# KiCad board coils_12_35_10_8_layer.kicad_pcb (continued)
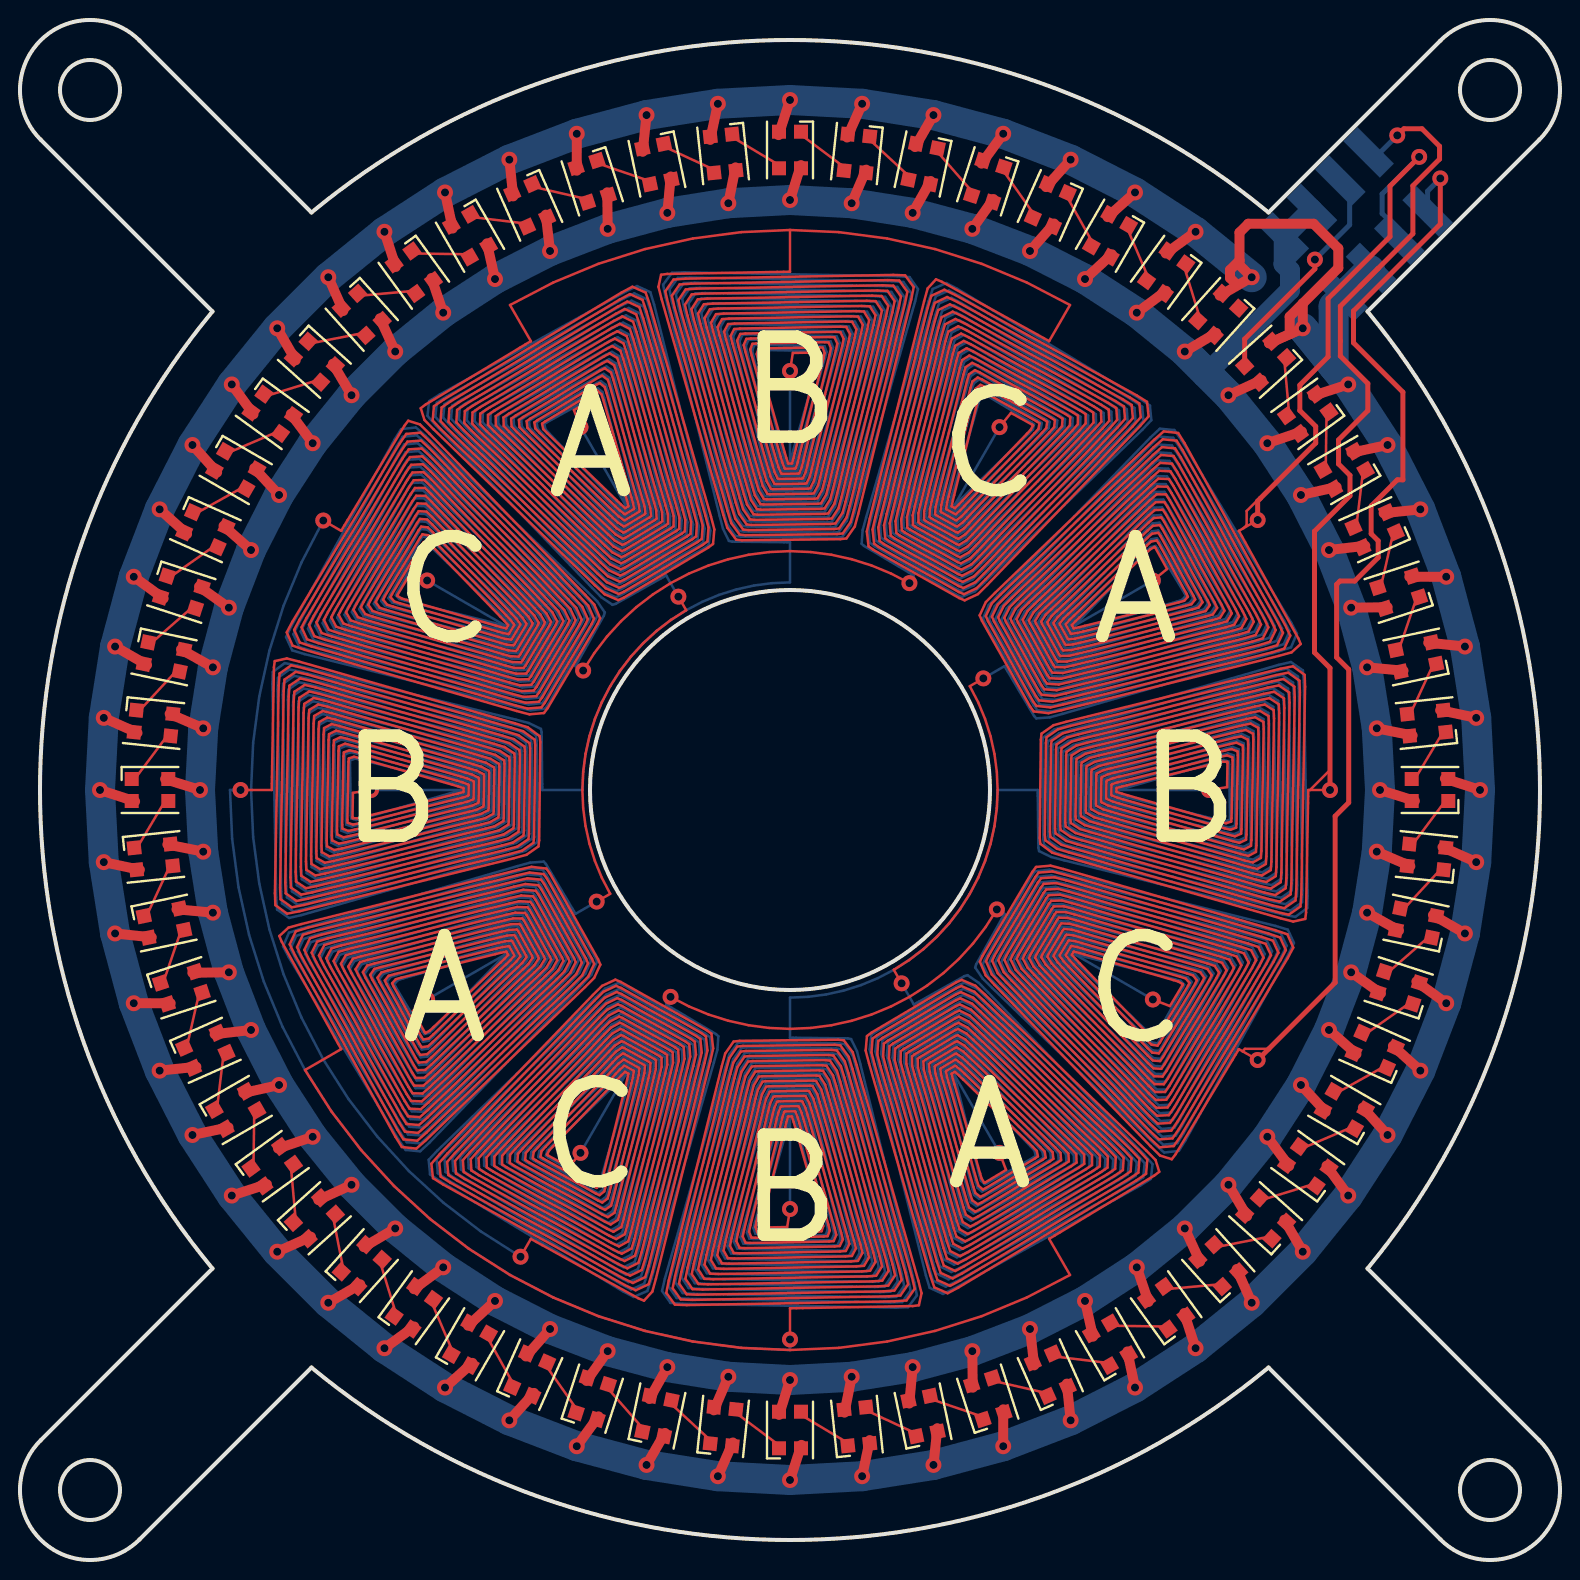
[diagram p0: board, top side]
## Routing (per net, layer and track width the routed paths; a pad name or vN(x,y) marks a point on that pad's centre or on a via; arc(x,y) is an arc through that point) (continued)
17.26,47.3 17.63,47.17 24.14,45.29 24.52,45.19 24.93,45.17 25,45.25 25.9,46.76 25.94,46.87 25.72,47.23 25.44,47.53 20.59,52.53 20.3,52.81 19.87,52.83 19.69,52.56 16.82,47.8 16.67,47.51 16.9,47.14 17.29,47.01 24.21,45.01 24.62,44.9 25.06,44.89 25.14,44.99 26.2,46.77 26.24,46.89 26.02,47.28 25.72,47.6 20.58,52.91 20.27,53.21 19.81,53.21 19.61,52.92 16.46,47.7 16.3,47.39 16.53,46.98 16.95,46.84 24.28,44.73 24.71,44.61 25.18,44.6 25.28,44.72 26.5,46.77 26.55,46.91 26.32,47.34 26,47.67 20.57,53.29 20.24,53.6 19.75,53.6 19.53,53.28 16.11,47.6 15.93,47.26 16.17,46.82 16.61,46.67 24.35,44.44 24.81,44.32 25.31,44.32 25.42,44.45 26.79,46.78 26.86,46.93 26.62,47.39 26.28,47.74 20.55,53.67 20.21,54 19.68,53.99 19.45,53.64 15.75,47.5 15.56,47.14 15.81,46.66 16.27,46.51 24.42,44.16 24.9,44.03 25.44,44.04 25.55,44.19 27.09,46.78 27.16,46.95 26.92,47.44 26.57,47.82 20.54,54.05 20.18,54.39 19.62,54.37 19.37,54 15.4,47.4 15.19,47.01 15.45,46.51 15.93,46.34 24.49,43.87 24.99,43.74 25.56,43.76 25.69,43.92 27.39,46.79 27.47,46.98 27.21,47.5 26.85,47.89 20.53,54.43 20.15,54.79 19.56,54.76 19.29,54.37 15.04,47.31 14.82,46.88 15.08,46.35 15.59,46.17 24.56,43.59 25.09,43.45 25.69,43.48 25.83,43.65 27.69,46.79 27.78,47 27.51,47.55 27.13,47.96 20.52,54.8 20.12,55.18 19.5,55.15 19.21,54.73 14.69,47.21 14.45,46.76 14.72,46.19 15.25,46.01 24.63,43.3 25.18,43.15 25.82,43.19 25.97,43.39 27.99,46.8 28.09,47.02 27.81,47.61 27.41,48.04 20.5,55.18 20.08,55.58 19.43,55.53 19.13,55.09 14.33,47.11 14.08,46.63 14.36,46.03 14.91,45.84 24.7,43.02 25.28,42.86 25.94,42.91 26.1,43.12 28.29,46.8 28.39,47.04 28.11,47.66 27.7,48.11 20.49,55.56 20.05,55.97 19.37,55.92 19.05,55.45 13.97,47.01 13.71,46.51 13.99,45.87 14.57,45.68 24.77,42.73 25.37,42.57 26.07,42.63 26.24,42.85 28.58,46.81 28.7,47.06 28.41,47.72 27.98,48.18 20.48,55.94 20.02,56.37 19.31,56.3 18.97,55.81 13.62,46.91 13.34,46.38 13.63,45.72 14.23,45.51 24.84,42.45 25.47,42.28 26.2,42.35 26.38,42.59 28.88,46.81 29.01,47.09 28.71,47.77 28.26,48.26 20.47,56.32 20,56.78 19.41,56.96 19.22,56.71 16.06,51.46 v1(15.16,51.97) ; v1(48.17,44.08) 47.49,43.69 47.91,42.89 48.25,42.05 48.53,41.19 48.72,40.3 48.84,39.4 48.88,38.5 48.84,37.6 48.72,36.7 48.53,35.81 48.25,34.95 47.91,34.11 47.49,33.31 47,32.55 46.45,31.83 45.84,31.16 45.17,30.55 44.45,30 43.69,29.51 v1(44.08,28.83) ; v1(25.03,15.16) 25.54,16.06 30.91,13.09 31.2,12.97 31.62,13.42 31.79,14.05 34.51,24.93 34.66,25.58 34.57,26.32 34.33,26.49 30.04,28.9 29.77,29.02 29.11,28.71 28.64,28.25 20.99,20.3 20.57,19.81 20.65,19.09 21.16,18.77 30.24,13.75 30.78,13.49 31.43,13.79 31.61,14.39 34.23,24.85 34.37,25.48 34.29,26.18 34.07,26.35 30.06,28.6 29.8,28.71 29.17,28.41 28.73,27.97 21.37,20.32 20.96,19.86 21.03,19.17 21.52,18.87 30.13,14.1 30.64,13.85 31.26,14.15 31.44,14.72 33.95,24.78 34.09,25.37 34.02,26.05 33.81,26.2 30.07,28.3 29.83,28.4 29.23,28.11 28.81,27.69 21.75,20.35 21.36,19.9 21.42,19.25 21.87,18.96 30.02,14.45 30.5,14.22 31.09,14.5 31.26,15.05 33.67,24.7 33.8,25.27 33.74,25.91 33.55,26.06 30.09,28 29.86,28.09 29.3,27.81 28.89,27.4 22.12,20.37 21.75,19.95 21.8,19.32 22.23,19.05 29.91,14.8 30.36,14.58 30.92,14.86 31.08,15.39 33.39,24.62 33.51,25.17 33.46,25.78 33.28,25.91 30.1,27.7 29.9,27.79 29.36,27.51 28.97,27.12 22.5,20.4 22.14,19.99 22.18,19.4 22.59,19.14 29.8,15.16 30.23,14.95 30.75,15.22 30.9,15.72 33.11,24.54 33.23,25.06 33.19,25.65 33.02,25.77 30.12,27.4 29.93,27.48 29.42,27.21 29.05,26.84 22.88,20.43 22.54,20.04 22.57,19.48 22.94,19.24 29.69,15.51 30.09,15.31 30.58,15.57 30.72,16.06 32.82,24.46 32.94,24.96 32.91,25.51 32.76,25.62 30.13,27.1 29.96,27.17 29.49,26.91 29.13,26.56 23.26,20.45 22.93,20.08 22.95,19.55 23.3,19.33 29.57,15.86 29.95,15.68 30.41,15.93 30.54,16.39 32.54,24.39 32.65,24.86 32.63,25.38 32.5,25.48 30.15,26.8 29.99,26.86 29.55,26.61 29.21,26.28 23.63,20.48 23.32,20.13 23.34,19.63 23.66,19.42 29.46,16.21 29.81,16.05 30.24,16.29 30.37,16.72 32.26,24.31 32.37,24.76 32.36,25.24 32.24,25.33 30.16,26.5 30.02,26.56 29.61,26.32 29.3,26 24.01,20.51 23.72,20.17 23.72,19.7 24.02,19.51 29.35,16.56 29.67,16.41 30.07,16.65 30.19,17.06 31.98,24.23 32.08,24.65 32.08,25.11 31.98,25.19 30.17,26.2 30.05,26.25 29.68,26.02 29.38,25.72 24.39,20.53 24.11,20.22 24.1,19.78 24.37,19.61 29.24,16.91 29.53,16.78 29.89,17 30.01,17.39 31.7,24.15 31.79,24.55 31.8,24.97 31.72,25.05 30.19,25.9 30.08,25.94 29.74,25.72 29.46,25.43 24.77,20.56 24.5,20.26 24.49,19.86 24.73,19.7 29.13,17.27 29.39,17.14 29.72,17.36 29.83,17.73 31.42,24.07 31.51,24.45 31.53,24.84 31.46,24.9 30.2,25.61 30.12,25.63 29.8,25.42 29.54,25.15 25.14,20.58 24.9,20.31 24.87,19.93 25.09,19.79 29.02,17.62 29.25,17.51 29.55,17.72 29.65,18.06 31.14,24 31.22,24.35 31.25,24.71 31.2,24.76 30.22,25.31 30.15,25.33 29.87,25.12 29.62,24.87 25.52,20.61 25.29,20.35 25.26,20.01 25.45,19.88 28.91,17.97 29.11,17.87 29.38,18.08 29.47,18.39 30.86,23.92 30.93,24.24 30.97,24.57 30.93,24.61 30.23,25.01 30.18,25.02 29.93,24.82 29.7,24.59 25.9,20.64 25.68,20.4 25.64,20.09 25.8,19.98 28.79,18.32 28.97,18.24 29.21,18.43 29.3,18.73 30.57,23.84 30.65,24.14 30.69,24.44 30.67,24.47 30.25,24.71 30.21,24.71 29.99,24.52 29.78,24.31 26.28,20.66 26.08,20.44 26.02,20.16 26.16,20.07 28.68,18.67 28.84,18.61 29.04,18.79 29.12,19.06 30.29,23.76 30.36,24.04 30.42,24.3 30.41,24.32 30.26,24.41 30.24,24.4 30.06,24.22 29.87,24.03 26.65,20.69 26.47,20.49 26.35,20.27 26.4,20.23 27.45,19.65 v1(28.03,20.36) ; v1(48.84,32.53) 48.28,31.65 47.65,30.82 46.94,30.06 46.18,29.35 45.35,28.72 44.47,28.16 43.55,27.68 42.58,27.28 41.59,26.96 40.57,26.74 39.54,26.6 38.5,26.56 37.46,26.6 36.43,26.74 35.41,26.96 34.42,27.28 33.45,27.68 v1(32.53,28.16) ; v1(56.64,28.03) 57.5,27.7 58.12,28.73 58.14,28.79 57.92,28.92 57.67,29 53.21,30.28 52.95,30.36 52.7,30.42 52.68,30.42 52.59,30.27 52.6,30.25 52.78,30.04 52.98,29.84 56.34,26.36 56.55,26.16 56.82,26.1 56.91,26.24 58.4,28.71 58.47,28.86 58.29,29.07 58.01,29.16 53.14,30.57 52.86,30.65 52.57,30.7 52.54,30.68 52.29,30.26 52.29,30.22 52.48,29.99 52.69,29.77 56.36,25.98 56.58,25.77 56.88,25.72 56.99,25.88 58.76,28.81 58.84,28.98 58.65,29.23 58.35,29.33 53.07,30.85 52.76,30.94 52.45,30.98 52.41,30.95 52,30.25 51.98,30.2 52.18,29.94 52.41,29.69 56.37,25.6 56.61,25.37 56.94,25.33 57.07,25.52 59.11,28.91 59.22,29.11 59.01,29.39 58.69,29.5 53,31.14 52.67,31.23 52.32,31.27 52.27,31.21 51.7,30.25 51.68,30.18 51.88,29.88 52.13,29.62 56.38,25.22 56.64,24.98 57,24.94 57.15,25.16 59.47,29 59.59,29.24 59.38,29.55 59.03,29.66 52.93,31.42 52.57,31.52 52.19,31.55 52.13,31.48 51.4,30.24 51.37,30.16 51.58,29.83 51.85,29.55 56.4,24.84 56.67,24.58 57.07,24.56 57.23,24.8 59.82,29.1 59.96,29.36 59.74,29.7 59.37,29.83 52.86,31.71 52.48,31.81 52.07,31.83 52,31.75 51.1,30.24 51.06,30.13 51.28,29.77 51.56,29.47 56.41,24.47 56.7,24.19 57.13,24.17 57.31,24.44 60.18,29.2 60.33,29.49 60.1,29.86 59.71,29.99 52.79,31.99 52.38,32.1 51.94,32.11 51.86,32.01 50.8,30.23 50.76,30.11 50.98,29.72 51.28,29.4 56.42,24.09 56.73,23.79 57.19,23.79 57.39,24.08 60.54,29.3 60.7,29.61 60.47,30.02 60.05,30.16 52.72,32.27 52.29,32.39 51.82,32.4 51.72,32.28 50.5,30.23 50.45,30.09 50.68,29.66 51,29.33 56.43,23.71 56.76,23.4 57.25,23.4 57.47,23.72 60.89,29.4 61.07,29.74 60.83,30.18 60.39,30.33 52.65,32.56 52.19,32.68 51.69,32.68 51.58,32.55 50.21,30.22 50.14,30.07 50.38,29.61 50.72,29.26 56.45,23.33 56.79,23 57.32,23.01 57.55,23.36 61.25,29.5 61.44,29.86 61.19,30.34 60.73,30.49 52.58,32.84 52.1,32.97 51.56,32.96 51.45,32.81 49.91,30.22 49.84,30.05 50.08,29.56 50.43,29.18 56.46,22.95 56.82,22.61 57.38,22.63 57.63,23 61.6,29.6 61.81,29.99 61.55,30.49 61.07,30.66 52.51,33.13 52.01,33.26 51.44,33.24 51.31,33.08 49.61,30.21 49.53,30.02 49.79,29.5 50.15,29.11 56.47,22.57 56.85,22.21 57.44,22.24 57.71,22.63 61.96,29.69 62.18,30.12 61.92,30.65 61.41,30.83 52.44,33.41 51.91,33.55 51.31,33.52 51.17,33.35 49.31,30.21 49.22,30 49.49,29.45 49.87,29.04 56.48,22.2 56.88,21.82 57.5,21.85 57.79,22.27 62.31,29.79 62.55,30.24 62.28,30.81 61.75,30.99 52.37,33.7 51.82,33.85 51.18,33.81 51.03,33.61 49.01,30.2 48.91,29.98 49.19,29.39 49.59,28.96 56.5,21.82 56.92,21.42 57.57,21.47 57.87,21.91 62.67,29.89 62.92,30.37 62.64,30.97 62.09,31.16 52.3,33.98 51.72,34.14 51.06,34.09 50.9,33.88 48.71,30.2 48.61,29.96 48.89,29.34 49.3,28.89 56.51,21.44 56.95,21.03 57.63,21.08 57.95,21.55 63.03,29.99 63.29,30.49 63.01,31.13 62.43,31.32 52.23,34.27 51.63,34.43 50.93,34.37 50.76,34.15 48.42,30.19 48.3,29.94 48.59,29.28 49.02,28.82 56.52,21.06 56.98,20.63 57.69,20.7 58.03,21.19 63.38,30.09 63.66,30.62 63.37,31.28 62.77,31.49 52.16,34.55 51.53,34.72 50.8,34.65 50.62,34.41 48.12,30.19 47.99,29.91 48.29,29.23 48.74,28.74 56.53,20.68 57,20.22 57.59,20.04 57.78,20.29 60.94,25.54 v1(61.88,25) ; v1(20.36,28.03) 19.65,27.45 20.23,26.4 20.27,26.35 20.49,26.47 20.69,26.65 24.03,29.87 24.22,30.06 24.4,30.24 24.41,30.26 24.32,30.41 24.3,30.42 24.04,30.36 23.76,30.29 19.06,29.12 18.79,29.04 18.61,28.84 18.67,28.68 20.07,26.16 20.16,26.02 20.44,26.08 20.66,26.28 24.31,29.78 24.52,29.99 24.71,30.21 24.71,30.25 24.47,30.67 24.44,30.69 24.14,30.65 23.84,30.57 18.73,29.3 18.43,29.21 18.24,28.97 18.32,28.79 19.98,25.8 20.09,25.64 20.4,25.68 20.64,25.9 24.59,29.7 24.82,29.93 25.02,30.18 25.01,30.23 24.61,30.93 24.57,30.97 24.24,30.93 23.92,30.86 18.39,29.47 18.08,29.38 17.87,29.11 17.97,28.91 19.88,25.45 20.01,25.26 20.35,25.29 20.61,25.52 24.87,29.62 25.12,29.87 25.33,30.15 25.31,30.22 24.76,31.2 24.71,31.25 24.35,31.22 24,31.14 18.06,29.65 17.72,29.55 17.51,29.25 17.62,29.02 19.79,25.09 19.93,24.87 20.31,24.9 20.58,25.14 25.15,29.54 25.42,29.8 25.63,30.12 25.61,30.2 24.9,31.46 24.84,31.53 24.45,31.51 24.07,31.42 17.73,29.83 17.36,29.72 17.14,29.39 17.27,29.13 19.7,24.73 19.86,24.49 20.26,24.5 20.56,24.77 25.43,29.46 25.72,29.74 25.94,30.08 25.9,30.19 25.05,31.72 24.97,31.8 24.55,31.79 24.15,31.7 17.39,30.01 17,29.89 16.78,29.53 16.91,29.24 19.61,24.37 19.78,24.1 20.22,24.11 20.53,24.39 25.72,29.38 26.02,29.68 26.25,30.05 26.2,30.17 25.19,31.98 25.11,32.08 24.65,32.08 24.23,31.98 17.06,30.19 16.65,30.07 16.41,29.67 16.56,29.35 19.51,24.02 19.7,23.72 20.17,23.72 20.51,24.01 26,29.3 26.32,29.61 26.56,30.02 26.5,30.16 25.33,32.24 25.24,32.36 24.76,32.37 24.31,32.26 16.72,30.37 16.29,30.24 16.05,29.81 16.21,29.46 19.42,23.66 19.63,23.34 20.13,23.32 20.48,23.63 26.28,29.21 26.61,29.55 26.86,29.99 26.8,30.15 25.48,32.5 25.38,32.63 24.86,32.65 24.39,32.54 16.39,30.54 15.93,30.41 15.68,29.95 15.86,29.57 19.33,23.3 19.55,22.95 20.08,22.93 20.45,23.26 26.56,29.13 26.91,29.49 27.17,29.96 27.1,30.13 25.62,32.76 25.51,32.91 24.96,32.94 24.46,32.82 16.06,30.72 15.57,30.58 15.31,30.09 15.51,29.69 19.24,22.94 19.48,22.57 20.04,22.54 20.43,22.88 26.84,29.05 27.21,29.42 27.48,29.93 27.4,30.12 25.77,33.02 25.65,33.19 25.06,33.23 24.54,33.11 15.72,30.9 15.22,30.75 14.95,30.23 15.16,29.8 19.14,22.59 19.4,22.18 19.99,22.14 20.4,22.5 27.12,28.97 27.51,29.36 27.79,29.9 27.7,30.1 25.91,33.28 25.78,33.46 25.17,33.51 24.62,33.39 15.39,31.08 14.86,30.92 14.58,30.36 14.8,29.91 19.05,22.23 19.32,21.8 19.95,21.75 20.37,22.12 27.4,28.89 27.81,29.3 28.09,29.86 28,30.09 26.06,33.55 25.91,33.74 25.27,33.8 24.7,33.67 15.05,31.26 14.5,31.09 14.22,30.5 14.45,30.02 18.96,21.87 19.25,21.42 19.9,21.36 20.35,21.75 27.69,28.81 28.11,29.23 28.4,29.83 28.3,30.07 26.2,33.81 26.05,34.02 25.37,34.09 24.78,33.95 14.72,31.44 14.15,31.26 13.85,30.64 14.1,30.13 18.87,21.52 19.17,21.03 19.86,20.96 20.32,21.37 27.97,28.73 28.41,29.17 28.71,29.8 28.6,30.06 26.35,34.07 26.18,34.29 25.48,34.37 24.85,34.23 14.39,31.61 13.79,31.43 13.49,30.78 13.75,30.24 18.77,21.16 19.09,20.65 19.81,20.57 20.3,20.99 28.25,28.64 28.71,29.11 29.02,29.77 28.9,30.04 26.49,34.33 26.32,34.57 25.58,34.66 24.93,34.51 14.05,31.79 13.42,31.62 12.97,31.2 13.09,30.91 16.06,25.54 14.25,24.5 15.56,22.44 17.05,20.5 18.7,18.7 20.5,17.05 22.44,15.56 24.5,14.25 26.67,13.12 28.92,12.19 31.25,11.45 33.64,10.93 36.06,10.61 38.5,10.5 40.94,10.61 43.36,10.93 45.75,11.45 48.08,12.19 50.33,13.12 52.5,14.25 51.46,16.06 56.71,19.22 56.96,19.41 56.78,20 56.32,20.47 48.26,28.26 47.77,28.71 47.09,29.01 46.81,28.88 42.59,26.38 42.35,26.2 42.28,25.47 42.45,24.84 45.51,14.23 45.72,13.63 46.38,13.34 46.91,13.62 55.81,18.97 56.3,19.31 56.37,20.02 55.94,20.48 48.18,27.98 47.72,28.41 47.06,28.7 46.81,28.58 42.85,26.24 42.63,26.07 42.57,25.37 42.73,24.77 45.68,14.57 45.87,13.99 46.51,13.71 47.01,13.97 55.45,19.05 55.92,19.37 55.97,20.05 55.56,20.49 48.11,27.7 47.66,28.11 47.04,28.39 46.8,28.29 43.12,26.1 42.91,25.94 42.86,25.28 43.02,24.7 45.84,14.91 46.03,14.36 46.63,14.08 47.11,14.33 55.09,19.13 55.53,19.43 55.58,20.08 55.18,20.5 48.04,27.41 47.61,27.81 47.02,28.09 46.8,27.99 43.39,25.97 43.19,25.82 43.15,25.18 43.3,24.63 46.01,15.25 46.19,14.72 46.76,14.45 47.21,14.69 54.73,19.21 55.15,19.5 55.18,20.12 54.8,20.52 47.96,27.13 47.55,27.51 47,27.78 46.79,27.69 43.65,25.83 43.48,25.69 43.45,25.09 43.59,24.56 46.17,15.59 46.35,15.08 46.88,14.82 47.31,15.04 54.37,19.29 54.76,19.56 54.79,20.15 54.43,20.53 47.89,26.85 47.5,27.21 46.98,27.47 46.79,27.39 43.92,25.69 43.76,25.56 43.74,24.99 43.87,24.49 46.34,15.93 46.51,15.45 47.01,15.19 47.4,15.4 54,19.37 54.37,19.62 54.39,20.18 54.05,20.54 47.82,26.57 47.44,26.92 46.95,27.16 46.78,27.09 44.19,25.55 44.04,25.44 44.03,24.9 44.16,24.42 46.51,16.27 46.66,15.81 47.14,15.56 47.5,15.75 53.64,19.45 53.99,19.68 54,20.21 53.67,20.55 47.74,26.28 47.39,26.62 46.93,26.86 46.78,26.79 44.45,25.42 44.32,25.31 44.32,24.81 44.44,24.35 46.67,16.61 46.82,16.17 47.26,15.93 47.6,16.11 53.28,19.53 53.6,19.75 53.6,20.24 53.29,20.57 47.67,26 47.34,26.32 46.91,26.55 46.77,26.5 44.72,25.28 44.6,25.18 44.61,24.71 44.73,24.28 46.84,16.95 46.98,16.53 47.39,16.3 47.7,16.46 52.92,19.61 53.21,19.81 53.21,20.27 52.91,20.58 47.6,25.72 47.28,26.02 46.89,26.24 46.77,26.2 44.99,25.14 44.89,25.06 44.9,24.62 45.01,24.21 47.01,17.29 47.14,16.9 47.51,16.67 47.8,16.82 52.56,19.69 52.83,19.87 52.81,20.3 52.53,20.59 47.53,25.44 47.23,25.72 46.87,25.94 46.76,25.9 45.25,25 45.17,24.93 45.19,24.52 45.29,24.14 47.17,17.63 47.3,17.26 47.64,17.04 47.9,17.18 52.2,19.77 52.44,19.93 52.42,20.33 52.16,20.6 47.45,25.15 47.17,25.42 46.84,25.63 46.76,25.6 45.52,24.87 45.45,24.81 45.48,24.43 45.58,24.07 47.34,17.97 47.45,17.62 47.76,17.41 48,17.53 51.84,19.85 52.06,20 52.02,20.36 51.78,20.62 47.38,24.87 47.12,25.12 46.82,25.32 46.75,25.3 45.79,24.73 45.73,24.68 45.77,24.33 45.86,24 47.5,18.31 47.61,17.99 47.89,17.78 48.09,17.89 51.48,19.93 51.67,20.06 51.63,20.39 51.4,20.63 47.31,24.59 47.06,24.82 46.8,25.02 46.75,25 46.05,24.59 46.02,24.55 46.06,24.24 46.15,23.93 47.67,18.65 47.77,18.35 48.02,18.16 48.19,18.24 51.12,20.01 51.28,20.12 51.23,20.42 51.02,20.64 47.23,24.31 47.01,24.52 46.78,24.71 46.74,24.71 46.32,24.46 46.3,24.43 46.35,24.14 46.43,23.86 47.84,18.99 47.93,18.71 48.14,18.53 48.29,18.6 50.76,20.09 50.9,20.18 50.84,20.45 50.64,20.66 47.16,24.02 46.96,24.22 46.75,24.4 46.73,24.41 46.58,24.32 46.58,24.3 46.64,24.05 46.72,23.79 48,19.33 48.08,19.08 48.21,18.86 48.27,18.88 49.3,19.5 v1(48.98,20.36) ; v1(38.5,11.03) 38.5,12.59 44.63,12.7 44.94,12.74 45.08,13.34 44.91,13.97 41.83,24.76 41.63,25.39 41.19,25.98 40.89,26.01 35.98,25.96 35.68,25.92 35.26,25.32 35.09,24.69 32.44,13.98 32.31,13.35 32.74,12.77 33.34,12.75 43.72,12.93 44.32,12.98 44.73,13.56 44.59,14.17 41.63,24.55 41.44,25.16 41.02,25.73 40.74,25.76 36.14,25.71 35.86,25.67 35.46,25.1 35.3,24.49 32.75,14.19 32.63,13.59 33.04,13.03 33.61,13.01 43.45,13.18 44.02,13.23 44.41,13.79 44.27,14.37 41.42,24.34 41.24,24.92 40.84,25.48 40.58,25.5 36.3,25.45 36.04,25.42 35.67,24.87 35.51,24.29 33.07,14.4 32.95,13.82 33.33,13.28 33.87,13.26 43.18,13.43 43.72,13.47 44.08,14.01 43.95,14.57 41.22,24.13 41.04,24.69 40.67,25.22 40.43,25.25 36.46,25.2 36.22,25.17 35.87,24.64 35.72,24.09 33.38,14.61 33.27,14.06 33.63,13.54 34.13,13.52 42.91,13.68 43.41,13.72 43.76,14.24 43.63,14.77 41.01,23.92 40.85,24.46 40.5,24.97 40.28,24.99 36.63,24.95 36.4,24.92 36.08,24.41 35.93,23.88 33.69,14.83 33.59,14.3 33.92,13.8 34.4,13.78 42.63,13.93 43.11,13.97 43.43,14.46 43.31,14.97 40.81,23.72 40.65,24.23 40.33,24.71 40.12,24.74 36.79,24.7 36.59,24.67 36.28,24.19 36.15,23.68 34.01,15.04 33.91,14.53 34.21,14.06 34.66,14.04 42.36,14.18 42.81,14.21 43.1,14.68 42.99,15.17 40.6,23.51 40.45,24 40.15,24.46 39.97,24.48 36.95,24.45 36.77,24.42 36.49,23.96 36.36,23.48 34.32,15.25 34.22,14.77 34.51,14.32 34.92,14.3 42.09,14.43 42.5,14.46 42.78,14.91 42.66,15.37 40.4,23.3 40.26,23.76 39.98,24.2 39.82,24.22 37.11,24.19 36.95,24.17 36.69,23.73 36.57,23.27 34.64,15.46 34.54,15 34.8,14.57 35.19,14.56 41.82,14.68 42.2,14.71 42.45,15.13 42.34,15.57 40.19,23.09 40.06,23.53 39.81,23.95 39.66,23.97 37.28,23.94 37.13,23.92 36.9,23.5 36.78,23.07 34.95,15.67 34.86,15.24 35.1,14.83 35.45,14.82 41.55,14.93 41.9,14.96 42.12,15.36 42.02,15.77 39.99,22.88 39.86,23.3 39.64,23.69 39.51,23.71 37.44,23.69 37.31,23.67 37.1,23.28 36.99,22.87 35.26,15.88 35.18,15.47 35.39,15.09 35.71,15.08 41.27,15.18 41.59,15.2 41.8,15.58 41.7,15.97 39.78,22.67 39.67,23.07 39.46,23.44 39.35,23.46 37.6,23.44 37.49,23.42 37.3,23.05 37.2,22.66 35.58,16.09 35.5,15.71 35.69,15.35 35.98,15.33 41,15.43 41.29,15.45 41.47,15.8 41.38,16.17 39.58,22.47 39.47,22.83 39.29,23.18 39.2,23.2 37.76,23.18 37.67,23.16 37.51,22.82 37.41,22.46 35.89,16.31 35.82,15.94 35.98,15.61 36.24,15.59 40.73,15.67 40.99,15.7 41.14,16.03 41.06,16.37 39.38,22.26 39.27,22.6 39.12,22.93 39.05,22.95 37.92,22.93 37.85,22.91 37.71,22.59 37.63,22.26 36.2,16.52 36.13,16.18 36.27,15.87 36.5,15.85 40.46,15.92 40.68,15.94 40.82,16.25 40.74,16.57 39.17,22.05 39.08,22.37 38.94,22.67 38.89,22.69 38.09,22.68 38.03,22.66 37.92,22.37 37.84,22.05 36.52,16.73 36.45,16.42 36.57,16.12 36.77,16.11 40.18,16.17 40.38,16.19 40.49,16.48 40.42,16.77 38.97,21.84 38.88,22.14 38.77,22.42 38.74,22.43 38.25,22.43 38.22,22.41 38.12,22.14 38.05,21.85 36.83,16.94 36.77,16.65 36.86,16.38 37.03,16.37 39.91,16.42 40.08,16.44 40.16,16.7 40.09,16.97 38.76,21.63 38.68,21.91 38.6,22.16 38.59,22.18 38.41,22.18 38.4,22.16 38.33,21.91 38.26,21.65 37.15,17.15 37.09,16.89 37.09,16.64 37.16,16.63 38.36,16.65 v1(38.5,17.55)